# Altium PCB MB1367C-for mechanical-drawing.PcbDoc (part 4 of 5) (continued)
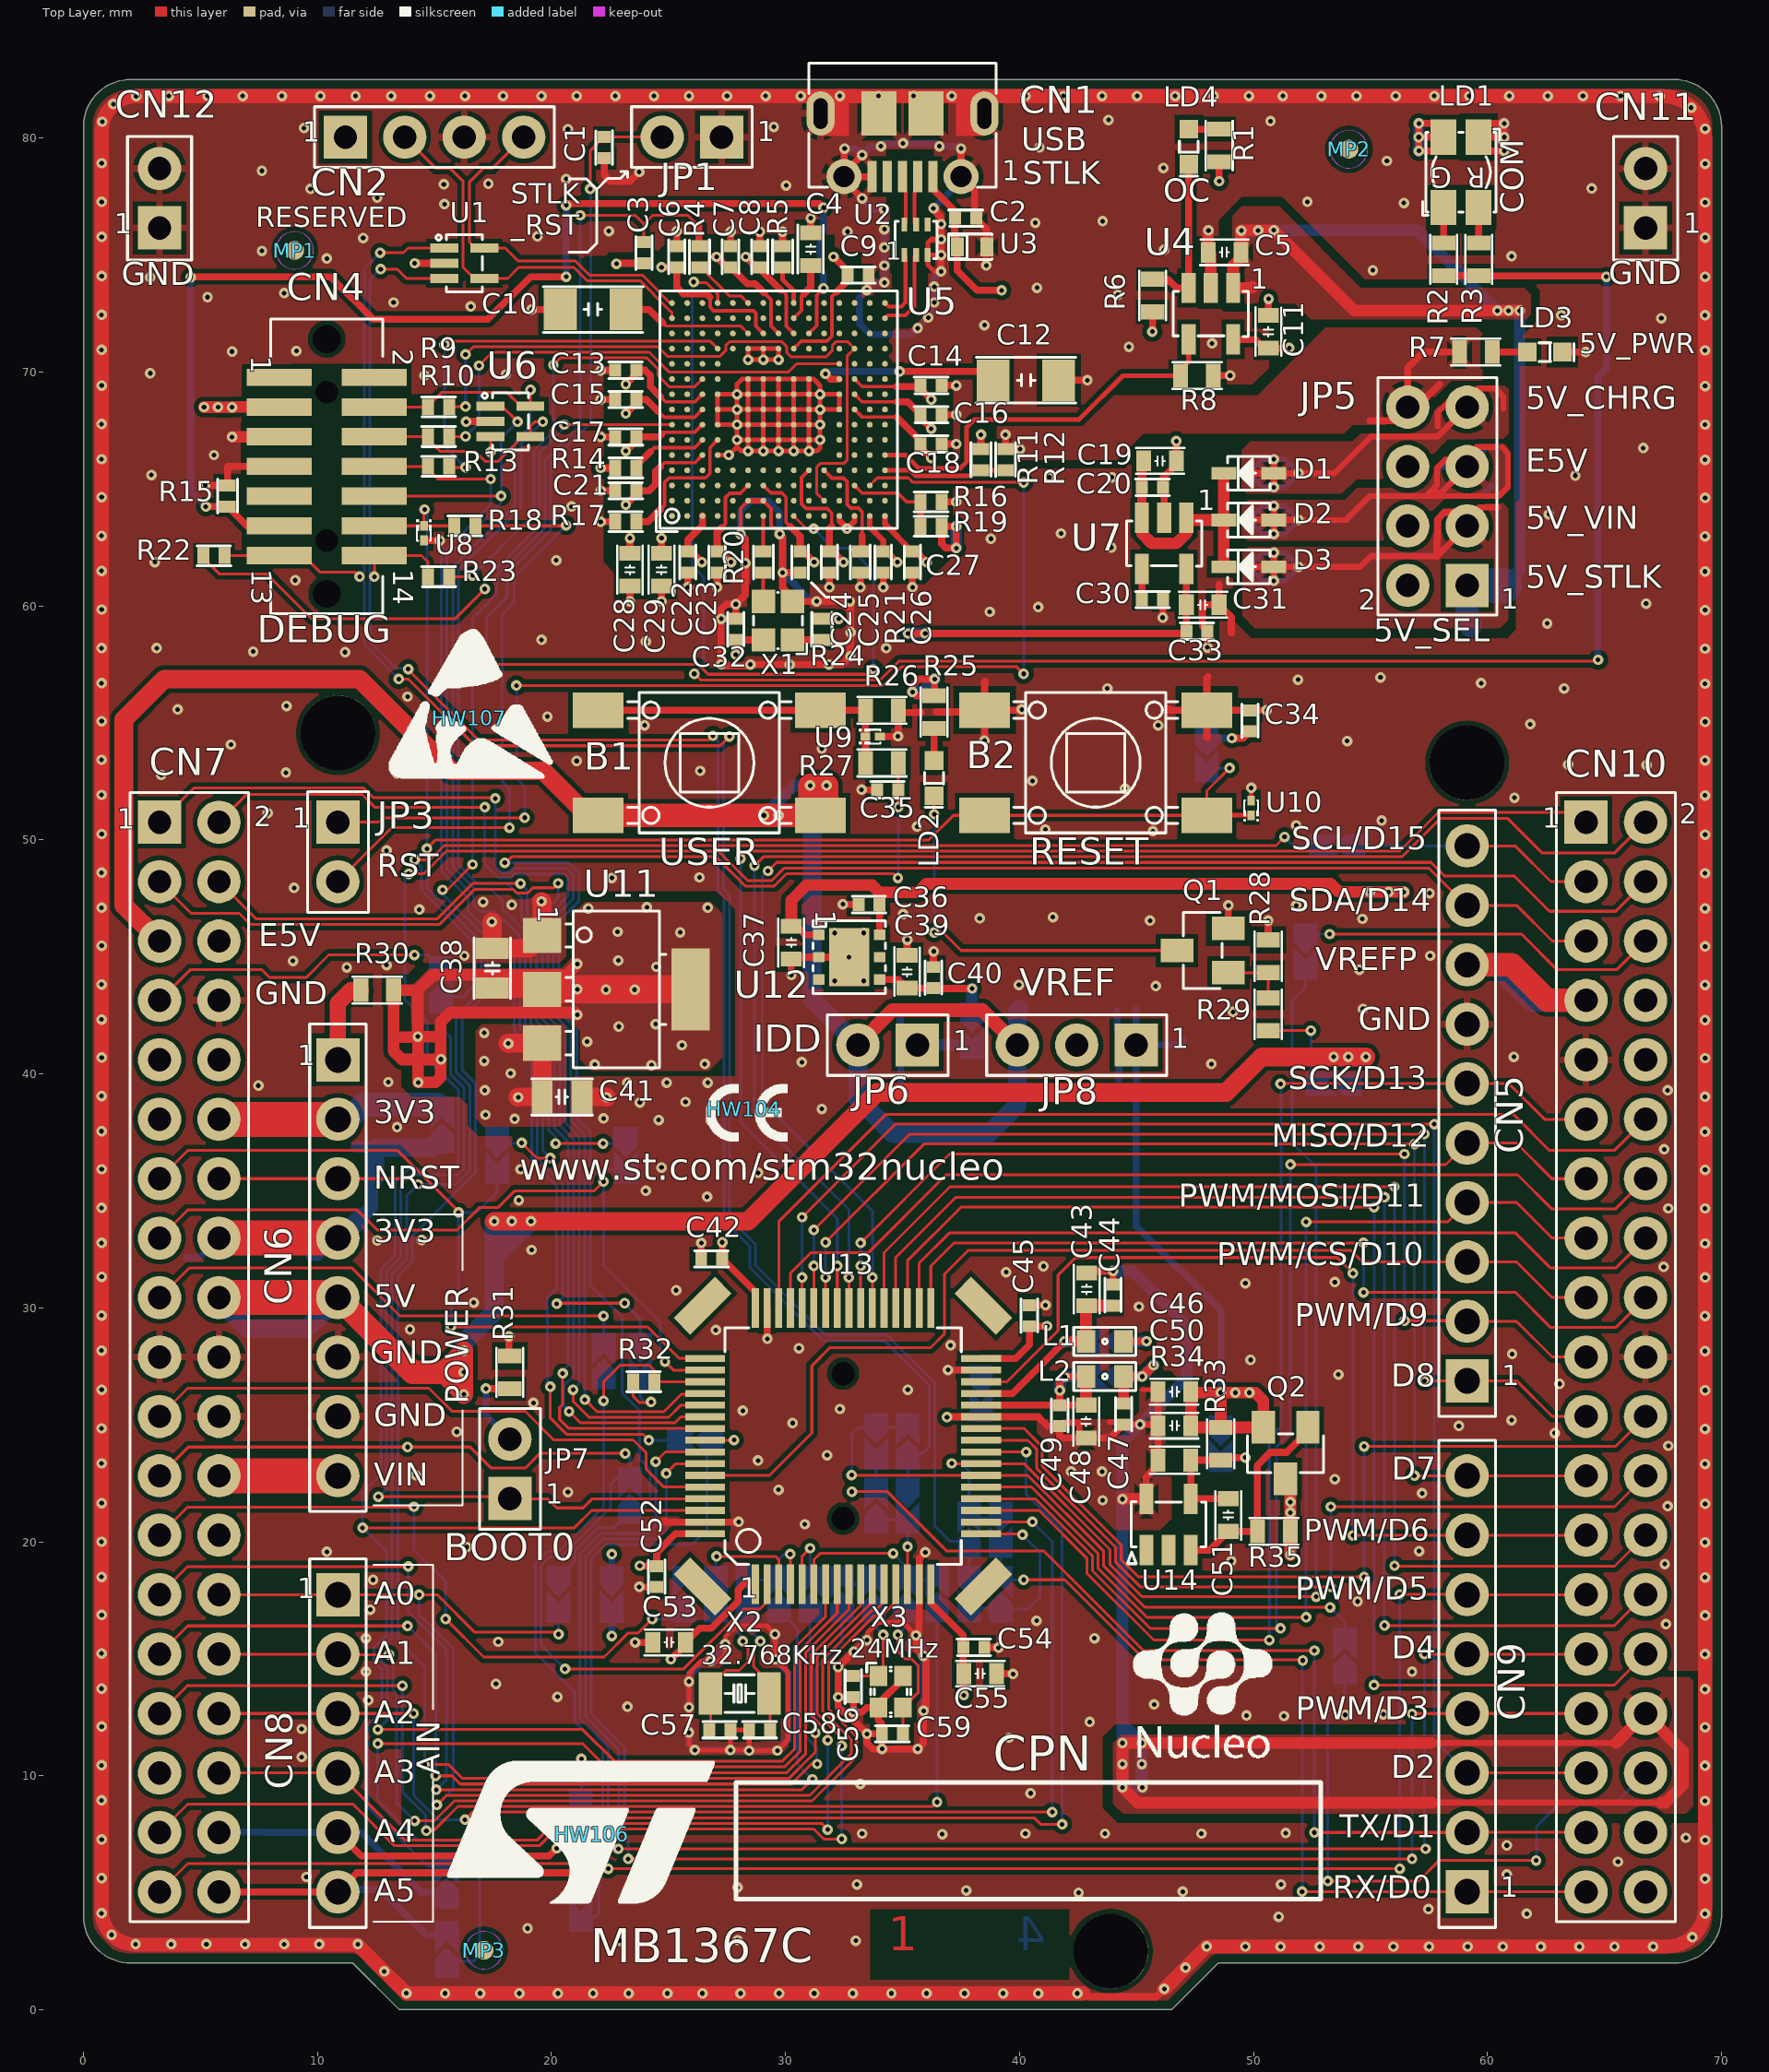
[diagram p0: Top Layer view]
## Nets (pads, with @x,y where several pads share a name; then routed paths per layer and width w, separated by ;. In a path a pad name is that pad's centre, name@x,y a point inside that pad or via, vN(x,y) a via of type N, cw(c..) or ccw(c..) an arc to the next point about the centre after c; other vN are vias at no path point) (continued)
  Bottom Layer w0.3: SB38.1@22.575,18.25 v1(22.575,19.475) ; v1(37.62,13.445) v1@37.625,13.45 ; v1@45.415,28.565 v1(45.425,28.575)
  Bottom Layer w0.5: v1(29.075,51.05) v1@29.125,51.1 ; v1@29.1,51.1 v1@29.125,51.1 ; SB8.1@44.145,28.565 v1@45.415,28.565 ; v1@29.125,51.1 31.075,51.1 31.15,51.175 31.75,51.775 v1(31.75,52.325) v1(31.05,52.325) 30.35,52.325 v1@29.125,51.1
  Bottom Layer w0.8: v1(31.05,52.325) 31.15,52.225 31.15,51.175 31.15,43.18 JP6.2@33.095,41.235 33.095,38.93 34.575,37.45 38.7,37.45 39.905,38.655 JP8.3@39.905,41.235 39.905,42.69 40,42.785
VIN: C41.2 CN6.8 CN7.24 U11.3 | length 16.9
  Top Layer w0.8: v1(18.15,41.3) 18.135,41.315 U11.3@19.595,41.315 C41.2@19.595,39.015 18.56,39.015 v1(18.575,39)
  Top Layer w1.5: CN7.24@5.79,22.82 CN6.8@10.87,22.82
  Signal Layer 2 w0.3: 4.575,23.575 5.035,23.575 CN7.24@5.79,22.82 ; 16.88,34.248 17.15,34.518
  Signal Layer 2 w1.5: CN7.24@5.79,22.82 CN6.8@10.87,22.82
  other v1: 18.425,38.075 17.175,38.25 17.15,39.3 18.25,40.025 17.125,40.55 17.125,41.75
VREF: C46.2 C50.2 JP8.1 Q2.2 R33.2 SB14.1 | length 54.7
  Top Layer w0.5: R33.2@48.595,24.89 47.395,24.89 C50.2@47.32,24.965 C46.2@47.32,26.415 47.36,26.375 v1(48.6,26.375) ; R33.2@48.595,24.89 Q2.2@50.42,24.89 50.42,26.03 50.075,26.375 v1(49.825,26.375) v1(49.225,26.375) v1(48.6,26.375) ; R33.2@48.595,24.89 48.595,26.37 v1(48.6,26.375)
  Signal Layer 2 w0.3: JP8.1@44.985,41.235 48.6,37.62 v1(48.6,26.375) v1(49.225,26.375) v1(49.825,26.375)
  Bottom Layer w0.3: 44.175,42.675 44.175,41.875 44.815,41.235 JP8.1@44.985,41.235 ; 44.25,39.75 44.25,40.5 JP8.1@44.985,41.235 ; 44.975,42.785 44.985,42.775 JP8.1@44.985,41.235 ; 47.025,41.425 46.835,41.235 JP8.1@44.985,41.235 ; SB14.1@48.595,24.69 48.6,24.695 v1(48.6,26.375) ; v1(49.825,26.375) v1(49.225,26.375) v1(48.6,26.375) ; JP8.1@44.985,41.235 44.985,33.49 48.6,29.875 v1(48.6,26.375)
VREFP: C48.1 C49.1 CN5.8 CN10.7 L2.2 SB10.2 U13.28 | length 86.2
  Top Layer w0.3: U13.28@38.36,25.84 C49.1@41.72,25.84 ; C48.1@42.845,25.84 C49.1@41.72,25.84 ; L2.2@42.845,27.065 41.94,27.065 v1(41.925,27.05) 41.72,26.845 v1(41.72,26.475) C49.1@41.72,25.84
  Top Layer w0.5: C48.1@42.845,25.84 L2.2@42.845,27.065
  Top Layer w1: CN5.8@59.13,44.664 61.036,44.664 62.56,43.14 CN10.7@64.21,43.14
  Signal Layer 2 w0.25: 58.597,16.47 60.455,16.47 61.95,17.965 61.95,42.105 62.985,43.14
  Signal Layer 2 w0.3: v1(41.72,26.475) 42.495,25.7 45.65,25.7 46.7,24.65 46.7,16.275 48.9,14.075 54.075,14.075 56.47,16.47 58.597,16.47 ; CN10.7@64.21,43.14 64.55,42.8 64.55,41.9
  Signal Layer 2 w0.5: v1(41.72,26.475) 41.72,26.845 v1(41.925,27.05)
  Signal Layer 2 w1: CN5.8@59.13,44.664 61.461,44.664 62.985,43.14 CN10.7@64.21,43.14
  Bottom Layer w0.3: v1(41.925,27.05) v1@41.94,27.065
  Bottom Layer w0.5: v1(41.72,26.475) 41.72,26.845 v1(41.925,27.05) ; v1@41.94,27.065 42.845,27.065
  Bottom Layer w1: CN5.8@59.13,44.664 60.411,44.664 61.935,43.14 CN10.7@64.21,43.14
pads on no net: CN1.4 CN4.0 CN4.1 CN4.2 CN4.9 CN7.9 CN7.10 CN7.11 CN7.26 CN10.10 CN10.36 CN10.38 MP1.1 MP2.1 MP3.1 MP4.1 MP5.1 MP6.1 U2.4 U5.A1 U5.A2 U5.A3 U5.A4 U5.A5 U5.A6 U5.A8 U5.A9 U5.A10 U5.A11 U5.A12 U5.A13 U5.B1 U5.B2 U5.B3 U5.B4 U5.B5 U5.B6 U5.B7 U5.B8 U5.B9 U5.B10 U5.B11 U5.B12 U5.B13 U5.B14 U5.B15 U5.C2 U5.C3 U5.C4 U5.C11 U5.C12 U5.C13 U5.C14 U5.C15 U5.D1 U5.D2 U5.D3 U5.D4 U5.D10 U5.D11 U5.D13 U5.D14 U5.E1 U5.E2 U5.E3 U5.E4 U5.E12 U5.E13 U5.E14 U5.E15 U5.F1 U5.F4 U5.F14 U5.G4 U5.G14 U5.G15 U5.H1 U5.H2 U5.H3 U5.H4 U5.H14 U5.H15 U5.J2 U5.J3 U5.J4 U5.K1 U5.K2 U5.K3 U5.K12 U5.K14 U5.K15 U5.L1 U5.L3 U5.L12 U5.L13 U5.L14 U5.L15 U5.M2 U5.M3 U5.M4 U5.M5 U5.M6 U5.M7 U5.M12 U5.M13 U5.M14 U5.M15 U5.N2 U5.N4 U5.N5 U5.N6 U5.N7 U5.N11 U5.N13 U5.N14 U5.N15 U5.P2 U5.P4 U5.P5 U5.P6 U5.P7 U5.P8 U5.P9 U5.P10 U5.P11 U5.P12 U5.P13 U5.P14 U5.P15 U5.R2 U5.R3 U5.R6 U5.R7 U5.R8 U5.R9 U5.R10 U5.R11 U5.R12 U5.R13 U12.3 U12.5 U13.0 U14.1 U14.2

## Polygon pours and split planes (outlines as drawn)
GND on Top Layer "GND_L01_P086" (solid, remove dead copper, pour order 86): 39.725,82.2 39.725,73.05 38.95,72.275 37.1,72.275 37.1,69.35 38.174,68.276 42.476,68.276 43.675,69.475 49.95,69.475 50.65,70.175 50.65,71.925 50,72.575 48.725,72.575 48.5,72.8 48.5,76.5 49.5,77.5 49.9,77.5 49.9,82.2
GND on Top Layer "GND_L01_P084" (solid, remove dead copper, pour order 84): 13.3,39.675 13.35,39.675 14.025,39 16.075,39 16.4,38.675 16.4,37.8 16.875,37.325 20.625,37.325 20.825,37.525 20.824,37.526 20.824,38.001 24.976,38.001 26.875,39.9 28.4,39.9 28.4,28.825 29.425,27.8 39.5,27.8 39.5,23.525 44.175,18.85 49.625,18.85 49.625,13.625 48.2,12.2 44.1,12.2 43.55,11.65 43.55,8.625 44.2,7.975 69.65,7.975 69.7,7.925 69.7,3.4 68.525,2.225 48.3,2.225 46.275,0.2 13.675,0.2 9.95,3.925 9.95,39.65
GND on Top Layer "GND_L01_P082" (solid, remove dead copper, pour order 82): 33.425,75.125 22.475,75.125 21.875,74.525 21.875,71.775 23,70.65 23,61.95 23.2,61.75 36,61.75 36.375,62.125 36.375,71.9 36.675,72.2 37.85,72.2 38.7,71.35 38.7,66.525 39.35,65.875 44.5,65.875 45.475,66.85 48.725,66.85 49.125,66.45 49.125,59.4 49.9,58.625 60.85,58.625 61.225,59 61.225,64.425 61.375,64.575 61.375,71.425 62.25,72.3 62.25,73.5 61.775,73.975 54.75,73.975 51.225,77.5 49.775,77.5 49.775,82.3 49.75,82.325 49.825,82.4 68.625,82.4 69.85,81.175 69.85,14.5 63.8,14.5 61.5,12.2 48.2,12.2 47,13.4 47,26.775 46.45,27.325 29.075,27.325 27.85,28.55 27.85,47.025 27.05,47.825 19.125,47.825 16.15,44.85 16.15,44.75 14.35,44.75 13.575,43.975 13.575,2.375 13.55,2.35 1.5,2.35 0.2,3.65 0.2,81.1 1.3,82.2 32.325,82.2 33.4,81.125
AGND on Top Layer "AGND_L01_P064" (solid, remove dead copper, pour order 64): 44.35,11.75 44,11.4 44,8.8 44.425,8.375 68.475,8.375 68.925,8.825 68.925,13.925 68.625,14.225 65.65,14.225 63.175,11.75
5V on Top Layer "5V_L01_P028" (solid, remove dead copper, pour order 28): 59.775,69.638 58.463,69.638 56.575,67.75 54.25,67.75 53.875,67.375 45.3,67.375 44.175,66.25 39.175,66.25 39.025,66.4 39.025,67.625 39.175,67.775 42.8,67.775 44.025,69 50.175,69 53.075,71.9 59.525,71.9 59.775,71.65
GND on Top Layer "GND_L01_P006" (solid, remove dead copper, pour order 6): 20.625,45.025 20.35,44.75 16.15,44.75 15.875,45.025 15.875,48.2 16.275,48.6 20.275,48.6 20.625,48.25
5V_VIN on Top Layer "5V_VIN_L01_P004" (solid, remove dead copper, pour order 4): 15.775,42.375 15.525,42.125 14.075,42.125 14,42.2 14,43.735 14.765,44.5 16.3,44.5 20.4,44.5 21,45.1 21,46.925 21.425,47.35 26.8,47.35 27.3,46.85 27.3,40.7 26.725,40.125 21.7,40.125 21.225,40.6 21.225,41.825 20.675,42.375
VIN on Top Layer "VIN_L01_P008" (solid, remove dead copper, pour order 8): 20.5,42.125 20.625,42 20.625,38.025 20.35,37.75 17.1,37.75 16.75,38.1 16.75,41.85 17.025,42.125
GND on Top Layer "GND_L01_P010" (solid, remove dead copper, pour order 10): 20.975,39.9 20.8,39.725 20.8,38.025 21.075,37.75 26.95,37.75 27.275,38.075 27.275,39.5 26.875,39.9
5V_USB_CHGR on Top Layer "5V_USB_CHGR_L01_P032" (solid, remove dead copper, pour order 32): 54.392,65.417 56.592,65.417 58.3,67.125 60.65,67.125 60.9,67.375 60.9,69.25 60.725,69.425 58.775,69.425 56.725,67.375 54.575,67.375 54.225,67.025 49.875,67.025 49.5,66.65 49.5,65 49.7,64.8 53.775,64.8
E5V on Top Layer "E5V_L01_P034" (solid, remove dead copper, pour order 34): 49.775,64.525 49.5,64.25 49.5,63.05 49.75,62.8 56.375,62.8 58.325,64.75 60.55,64.75 60.875,65.075 60.875,66.775 60.725,66.925 58.7,66.925 56.825,65.05 54.425,65.05 53.9,64.525
5V_VIN on Top Layer "5V_VIN_L01_P036" (solid, remove dead copper, pour order 36): 49.775,62.525 49.525,62.275 49.525,59.575 50.05,59.05 60.525,59.05 60.875,59.4 60.875,64.175 60.575,64.475 58.475,64.475 56.525,62.525
AGND on Top Layer "AGND_L01_P066" (solid, remove dead copper, pour order 66): 46.5,23.025 46.25,23.275 46.25,24.875 46.25,26.875 46.025,27.1 45.275,27.1 45.125,26.95 45.125,25.575 44.9,25.35 44.095,25.35 43.97,25.225 41.05,25.225 40.925,25.35 40.82,25.35 40.75,25.28 40.75,23.375 43.625,20.5 46,20.5 46.5,21
5V_USB_STLK on Top Layer "5V_USB_STLK_L01_P078" (solid, remove dead copper, pour order 78): 49.5,77.075 49.1,76.675 49.1,74.95 48.825,74.675 48.825,72.9 48.85,72.925 51.775,72.925 52.45,72.25 61.65,72.25 61.85,72.45 61.85,73.325 61.575,73.6 54.575,73.6 51.1,77.075
GND on Top Layer "GND_L01_P002" (solid, remove dead copper, pour order 2): 31.675,77.625 33.25,76.05 33.25,71.275 34.15,70.375 38.15,70.375 40,72.225 40,82.5 30.65,82.5 30.65,78.675 31.675,77.65
GND on Bottom Layer "GND_L04_P110" (solid, remove dead copper, pour order 110): 52.835,57.81 52.82,57.825 50.075,57.825 48.475,59.425 46.65,59.425 46.65,45.35 47.9,44.1 50.175,44.1 51.425,42.85 54.025,42.85 54.025,56.701 52.876,57.851
GND on Bottom Layer "GND_L04_P108" (solid, remove dead copper, pour order 108): 10.725,82.3 10.725,63.3 14.4,59.625 21.8,59.625 24.925,62.75 24.925,81.925 24.55,82.3
GND on Bottom Layer "GND_L04_P106" (solid, remove dead copper, pour order 106): 18.325,58.725 18.325,55.4 21.725,52 27.5,52 28.925,53.425 33.425,53.425 33.9,53.9 33.9,57.975 33.15,58.725
GND on Bottom Layer "GND_L04_P104" (solid, remove dead copper, pour order 104): 1.15,57.85 5.65,62.35 5.65,65.025 4.525,66.15 4.525,69.275 4.95,69.7 9.375,69.7 10.2,68.875 10.2,60.65 12.4,58.45 12.4,32.6 11.125,31.325 0.825,31.325 0.275,30.775 0.275,3.525 1.525,2.275 11.375,2.275 13.425,0.225 46.475,0.225 48.525,2.275 68.525,2.275 69.8,3.55 69.8,81.05 68.625,82.225 12.054,82.225 11.55,81.721 11.55,75.65 13.8,73.4 13.8,62.25 19.45,56.6 33.85,56.6 35.8,58.55 35.8,63.65 36.4,64.25 38.65,64.25 39.35,63.55 39.35,44.675 39.925,44.1 47.9,44.1 48.925,45.125 48.925,69.85 49.875,70.8 57.475,70.8 57.75,71.075 57.725,71.1 57.725,72.55 55.95,74.325 49.075,74.325 48.5,74.9 48.5,77.5 48.875,77.875 60.425,77.875 64.5,73.8 64.5,58.6 63.751,57.851 52.876,57.851 51.775,56.75 51.775,24.85 50.975,24.05 50.875,24.15 48.525,24.15 47.675,23.3 47.675,9.175 46.55,8.05 42.45,8.05 41.325,9.175 41.325,20.325 40.425,21.225 40.425,22.975 39.775,23.625 36.85,23.625 36.05,24.425 36.05,26.025 36.075,26.025 37,26.95 40.825,26.95 41.575,27.7 41.575,34.45 40.725,35.3 32.775,35.3 28.2,39.875 20.85,39.875 20.25,39.275 20.25,37.75 19.725,37.225 16.425,37.225 15.85,37.8 15.85,41.95 16.675,42.775 19.225,42.775 19.95,43.5 19.95,46.35 21.5,47.9 27.125,47.9 27.925,48.7 27.925,57.375 27.45,57.85 18.775,57.85 13.8,62.825 13.8,74.25 12.225,75.825 12.225,82.125 12,82.35 1.5,82.35 0.325,81.175 0.325,57.975 0.45,57.85
3V3 on Bottom Layer "3V3_L04_P050" (solid, remove dead copper, pour order 50): 11.3,32 11.3,32.025 11.875,32.6 11.875,58 9.675,60.2 9.675,68.65 9.025,69.3 5.275,69.3 4.875,68.9 4.875,66.2 6,65.075 6,62.25 1.225,57.475 1.225,32.625 1.85,32
5V_VIN on Bottom Layer "5V_VIN_L04_P038" (solid, remove dead copper, pour order 38): 57.675,59.175 57.725,59.175 58.175,59.625 58.175,61.75 58.325,61.9 60.5,61.9 60.875,62.275 60.875,64.175 60.575,64.475 58.475,64.475 56.525,62.525 49.775,62.525 49.525,62.275 49.525,59.75 50.1,59.175
5V_USB_CHGR on Bottom Layer "5V_USB_CHGR_L04_P040" (solid, remove dead copper, pour order 40): 54.392,65.417 56.592,65.417 58.3,67.125 60.65,67.125 60.9,67.375 60.9,69.9 60.475,70.325 50.35,70.325 49.5,69.475 49.5,65 49.7,64.8 53.775,64.8
E5V on Bottom Layer "E5V_L04_P042" (solid, remove dead copper, pour order 42): 49.775,64.525 49.5,64.25 49.5,63.05 49.75,62.8 56.375,62.8 58.325,64.75 60.55,64.75 60.875,65.075 60.875,66.775 60.725,66.925 58.7,66.925 56.825,65.05 54.425,65.05 53.9,64.525
3V3 on Bottom Layer "3V3_L04_P048" (solid, remove dead copper, pour order 48): 34.5,39.325 35.025,38.8 38.3,38.8 38.625,39.125 38.625,63.45 38.3,63.775 36.875,63.775 36.5,63.4 36.5,58.4 34.5,56.4
VDD on Bottom Layer "VDD_L04_P056" (solid, remove dead copper, pour order 56): 29.225,53 28.45,52.225 28.45,50.3 29.723,49.027 29.723,48.123 29.4,47.8 29.4,39.425 33.1,35.725 39.8,35.725 41.45,37.375 41.45,43 41,43.45 39.275,43.45 38.975,43.15 38.975,38.775 38.525,38.325 34.85,38.325 34.1,39.075 34.1,52.45 33.55,53
AGND on Bottom Layer "AGND_L04_P070" (solid, remove dead copper, pour order 70): 36.875,25.95 36.625,25.7 36.625,24.575 37,24.2 40.825,24.2 41.125,23.9 41.125,22.068 42.25,20.943 42.25,9.625 42.875,9 46.15,9 46.55,9.4 46.55,25.425 47.625,26.5 47.625,29.525 45.125,32.025 43.925,32.025 43.7,31.8 43.7,30.9 44.225,30.375 45.05,30.375 46.3,29.125 46.3,27.35 44.9,25.95
VREF on Bottom Layer "VREF_L04_P074" (solid, remove dead copper, pour order 74): 44.375,43.45 44,43.075 44,33.5 47.875,29.625 47.875,25.21 48.21,24.875 50.2,24.875 50.75,25.425 50.75,42.5 49.8,43.45
5V_USB_STLK on Bottom Layer "5V_USB_STLK_L04_P080" (solid, remove dead copper, pour order 80): 58.5,61.4 58.5,59.025 59,58.525 63.225,58.525 63.95,59.25 63.95,73.65 60.2,77.4 49.35,77.4 48.9,76.95 48.9,75.35 49.3,74.95 56.6,74.95 61.125,70.425 61.125,62.05 60.475,61.4
5V_VIN on Bottom Layer "5V_VIN_L04_P014" (solid, remove dead copper, pour order 14): 21.5,47.5 20.375,46.375 20.375,40.47 20.72,40.125 26.575,40.125 26.92,40.47 26.92,47.23 26.65,47.5
VIN on Bottom Layer "VIN_L04_P012" (solid, remove dead copper, pour order 12): 16.975,42.25 16.625,41.9 16.625,37.875 16.875,37.625 19.5,37.625 19.875,38 19.875,41.925 19.55,42.25
GND on Signal Layer 2 "GND_L03_P102" (solid, remove dead copper, pour order 102): 12.15,2.55 12.15,1.7 13.6,0.25 46.5,0.25 48.425,2.175 68.525,2.175 69.825,3.475 69.825,40.95 69.6,41.175 68.375,41.175 68.025,40.825 68.025,13.65 66.975,12.6 47.05,12.6 46.4,11.95 46.4,9.375 45.3,8.275 42.725,8.275 41.35,9.65 41.35,23.775 41,24.125 39.05,24.125 38.675,23.75 38.675,11.375 33.675,6.375 22.25,6.375 18.425,2.55
VREFP on Signal Layer 2 "VREFP_L03_P076" (solid, remove dead copper, pour order 76): 41.225,27.475 40.95,27.2 40.95,25.8 41.25,25.5 45.52,25.5 46,25.02 46,14.425 47.25,13.175 65.925,13.175 66.9,14.15 66.9,39.725 64.21,42.415 64.21,43.965 60.971,47.204 57.704,47.204 57.375,46.875 57.375,36.1 54.125,32.85 54.125,18.7 53.5,18.075 50.45,18.075 50.05,18.475 50.05,23.575 46.875,26.75 44.825,26.75 44.1,27.475
GND on Signal Layer 2 "GND_L03_P094" (solid, remove dead copper, pour order 94): 63.125,66.725 64.075,65.775 64.075,49 62.9,47.825 58.55,47.825 57.85,48.525 57.85,54.1 59.075,55.325 59.075,66.125 59.675,66.725
GND on Signal Layer 2 "GND_L03_P090" (solid, remove dead copper, pour order 90): 37.025,64.45 37.325,64.15 38.525,64.15 39.05,63.625 39.05,58.825 39.425,58.45 39.45,58.475 40.475,58.475 46.95,64.95 46.95,67.175 43.025,71.1 38.6,71.1 37.025,69.525
5V on Signal Layer 2 "5V_L03_P030" (solid, remove dead copper, pour order 30): 58.15,55.775 58.15,68.025 57.62,68.575 57.625,69.25 57.625,69.95 57.325,70.25 53.1,70.25 52.9,70.05 52.925,70.025 52.925,38.125 50.5,35.7 50.5,18.5 53.275,18.5 53.725,18.95 53.725,33.375 56.975,36.625 56.975,54.6
5V_USB_CHGR on Signal Layer 2 "5V_USB_CHGR_L03_P024" (solid, remove dead copper, pour order 24): 43.4,78.525 38.75,73.875 38.75,71.675 39.05,71.375 43.025,71.375 49.6,64.8 51.575,64.8 52.375,65.6 52.375,70.275 52.75,70.65 57.575,70.65 58,70.225 58,67.65 58.275,67.375 63.525,67.375 64.675,66.225 64.675,42.7 65.825,41.55 68.275,41.55 68.875,42.15 68.875,71.45 61.8,78.525
GND on Signal Layer 2 "GND_L03_P096" (solid, remove dead copper, pour order 96): 0.8,24.35 0.7,24.45 0.75,24.5 0.75,41.75 1.125,42.125 13.075,42.125 13.7,41.5 13.7,39.4 14.15,38.95 15.5,38.95 15.775,38.675 15.775,30.25 14.8,29.275 14.8,27.975 11.175,24.35
VIN on Signal Layer 2 "VIN_L03_P018" (solid, remove dead copper, pour order 18): 16.1,29.875 15.25,29.025 15.25,27.55 11.45,23.75 2.625,23.75 2.225,23.35 2.225,18.275 2.625,17.875 18.65,17.875 21.15,20.375 21.15,30.275 21.875,31 21.875,38.375 18.125,42.125 16.385,42.125 16.1,41.84
VBAT on Signal Layer 2 "VBAT_L03_P112" (solid, remove dead copper, pour order 112): 19.725,18.1 18.975,17.35 1.05,17.35 0.9,17.2 0.9,3.6 1.625,2.875 11.75,2.875 12.05,3.175 17.925,3.175 21.625,6.875 25.775,6.875 26.275,7.375 26.275,16.275 25.4,17.15 21.675,17.15 20.725,18.1
E5V on Signal Layer 2 "E5V_L03_P062" (solid, remove dead copper, pour order 62): 4.625,46.65 4.625,44 6.225,42.4 13.025,42.4 15.925,45.3 18.375,45.3 20.925,47.85 36.925,47.85 48.775,59.7 48.775,62.3 49.225,62.75 52.1,62.75 52.25,62.9 52.25,64.375 52.026,64.599 49.599,64.599 49.598,64.6 47.475,64.6 33.125,50.25 8.225,50.25
VDD on Signal Layer 2 "VDD_L03_P058" (solid, remove dead copper, pour order 58): 31.9,50.575 32.475,51.15 32.475,53.95 32.05,54.375 23.3,54.375 17.95,59.725 1.625,59.725 1.225,59.325 1.225,44.025 3.925,44.025 4.25,44.35 4.25,46.775 8.05,50.575
GND on Signal Layer 2 "GND_L03_P088" (solid, remove dead copper, pour order 88): 9.525,82.225 8.075,80.775 8.075,74.55 10.395,72.23 10.395,70.845 9.95,70.4 5.15,70.4 4.125,69.375 4.125,66.375 4.975,65.525 11.825,65.525 14.775,62.575 14.775,60.55 14.45,60.225 0.325,60.225 0.275,60.275 0.275,81.2 1.3,82.225
GND on Signal Layer 2 "GND_L03_P026" (solid, remove dead copper, pour order 26): 56.825,82.35 58.15,81.025 58.15,79.375 58.6,78.925 62,78.925 69.425,71.5 69.9,71.5 69.9,81.45 69,82.35
5V_VIN on Signal Layer 2 "5V_VIN_L03_P016" (solid, remove dead copper, pour order 16): 29.275,40.125 33.425,44.275 47.225,44.275 52.35,49.4 52.35,62.35 52.15,62.55 49.55,62.55 49.375,62.375 49.375,59.525 37.225,47.375 21.4,47.375 18.65,44.625 16.125,44.625 13.975,42.475 13.975,39.45 14.175,39.25 15.475,39.25 15.775,39.55 15.775,41.85 16.3,42.375 18.325,42.375 20.575,40.125
E5V on Signal Layer 2 "E5V_L03_P044" (solid, remove dead copper, pour order 44): 49.6,64.6 49.375,64.375 49.375,62.875 49.5,62.75 52.1,62.75 52.25,62.9 52.25,64.375 52.025,64.6
AGND on Signal Layer 2 "AGND_L03_P068" (solid, remove dead copper, pour order 68): 44,25.25 41.825,23.075 41.825,10.025 43.1,8.75 44.975,8.75 45.775,9.55 45.775,24.75 45.275,25.25
GND on Signal Layer 2 "GND_L03_P092" (solid, remove dead copper, pour order 92): 33.175,54.675 32.825,54.325 32.85,54.3 32.85,51.525 33,51.375 33.725,51.375 35.875,53.525 35.875,54.475 35.675,54.675
3V3 on Signal Layer 2 "3V3_L03_P052" (solid, remove dead copper, pour order 52): 5.325,69.8 4.625,69.1 4.625,66.65 5.2,66.075 12.475,66.075 23.6,54.95 37.125,54.95 38.625,56.45 38.625,63.5 38.3,63.825 36.925,63.825 36.575,63.475 36.575,58.2 35.375,57 26.2,57 13.4,69.8
VREF on Signal Layer 2 "VREF_L03_P072" (solid, remove dead copper, pour order 72): 43.475,43.375 42.975,42.875 42.975,38.425 46.15,35.25 46.15,28 48.075,26.075 49.95,26.075 50.125,26.25 50.125,42.575 49.325,43.375
GND on Signal Layer 2 "GND_L03_P100" (solid, remove dead copper, pour order 100): 52.5,48.65 52.175,48.65 49.725,46.2 49.725,43.675 50.55,42.85 50.55,38.077 50.802,37.825 52.025,37.825 52.65,38.45 52.65,48.5
GND on Signal Layer 2 "GND_L03_P098" (solid, remove dead copper, pour order 98): 22.825,39.85 22.075,39.1 22.075,32.075 22.325,31.825 23.5,31.825 30.45,38.775 30.45,39.5 30.1,39.85
VDD on Signal Layer 2 "VDD_L03_P060" (solid, remove dead copper, pour order 60): 21.173,19.298 21.175,18.4 22,17.575 25.77,17.575 26.775,16.57 26.775,8 28,6.775 28.725,6.775 33.35,6.775 38.15,11.575 38.15,24.865 41.285,28 45.225,28 45.7,28.475 45.7,34.95 42.375,38.275 42.375,42.925 41.9,43.425 33.675,43.425 31.35,41.1 31.35,39.25 22.025,29.925 22.025,20.15
3V3_STLK on Signal Layer 2 "3V3_STLK_L03_P020" (solid, remove dead copper, pour order 20): 10.4,81.4 9.725,81.4 8.625,80.3 8.625,75.15 26.35,57.425 35.375,57.425 36.35,58.4 36.35,65.925 36.65,66.225 36.65,69.475 38.4,71.225 38.4,73.925 43.45,78.975 57.35,78.975 57.7,79.325 57.7,80.75 57.2,81.25 39.95,81.25 37.125,78.425 37.125,72.65 36.025,71.55 35.2,71.55 34.025,72.725 33.425,72.725 33.025,73.125 33.025,74.925 30.675,77.275 30.675,80.75 30.05,81.375
GND on Signal Layer 2 "GND_L03_P022" (solid, remove dead copper, pour order 22): 30.925,82.475 30.925,77.425 33.25,75.1 33.25,73.35 33.6,73 34.1,73 35.475,71.625 35.725,71.625 36.9,72.8 36.9,77.425 37.801,78.326 37.801,82.474 37.8,82.475
GND on Signal Layer 1 "GND_L02_P000" (solid, remove dead copper, pour order 0): 0.325,82.5 0,82.175 0,2.4 0.4,2 11.5,2 13.5,0 46.5,0 48.5,2 69.875,2 70,2.125 70,81.975 69.475,82.5

## Other copper
Top Layer:
  pour cut-out: 8.8,70.275 8.875,70.35 11.85,70.35 12.55,69.65 13.913,69.65 14.022,69.541 14.022,69.065 14.265,69.065 14.275,69.075 16.5,69.075 17.85,67.725 17.85,64.7 17.784,64.7 17.518,64.434 17.502,64.45 14.5,64.45 14.126,64.076 14.126,62.336 13.465,61.675 6.975,61.675 6.75,61.9 6.75,70.05 7,70.3
  pour cut-out: 22.216,70.344 22.216,61.884 23.184,60.916 27.609,60.916 27.65,60.957 27.65,62.45 24.5,62.45 23.525,63.425 23.55,63.45 23.55,73.5 24.75,74.7 31.825,74.7 32.116,74.991 32.116,75.884 30.376,75.884 30.36,75.9 25.275,75.9 24.35,74.975 21.446,74.975 20.725,74.254 20.725,71.25 21.625,70.35 21.725,70.35
  pour cut-out: 31.054,60.916 35.959,60.916 37.184,62.141 37.184,69.674 37.108,69.75 35.95,69.75 35.95,63.025 35.05,62.125 31.025,62.125
  text "1" at 34.37,2.04 h2.5
Signal Layer 1:
  text "2" at 36.12,2.04 h2.5
Signal Layer 2:
  text "3" at 39.12,2.04 h2.5
Bottom Layer:
  pour cut-out: 25.069,19.031 25.069,16.519 25.05,16.5 25.052,16.498 39.795,16.498 39.695,16.598 39.695,18.965
  pour cut-out: 33.37,20.34 36.341,20.34 36.3,20.381 36.3,24.91 35.72,25.49 33.37,25.49
  text "4" at 41.12,2.04 h2.5
Multi-Layer:
  pour cut-out: 33.62,4.29 33.62,1.29 42.12,1.29 42.12,4.29

## Silkscreen, mask and mechanical layers (free items; w line width, h text height)
Top Overlay:
  drawing of 813 lines, arcs and shapes, not listed
  text "USB" at 40.075,79.125 h1.7
  text "STLK" at 40.125,77.7 h1.7
  text "OC" at 46.15,76.95 h1.7
  text "STLK" at 18.25,76.9 h1.5
  text "COM" at 61.875,76.775 h1.7 r90
  text "RESERVED" at 7.35,75.9 h1.5
  text "_RST" at 18.25,75.575 h1.5
  text "GND" at 65.175,73.425 h1.7
  text "GND" at 1.625,73.375 h1.7
  text "5V_PWR" at 63.925,70.5 h1.5
  text "5V_CHRG" at 61.625,68.075 h1.7
  text "E5V" at 61.625,65.4 h1.7
  text "5V_VIN" at 61.625,62.95 h1.7
  text "5V_STLK" at 61.625,60.425 h1.7
  text "5V_SEL" at 55.125,58.15 h1.7
  text "DEBUG" at 7.425,58.05 h2
  text "SCL/D15" at 51.625,49.25 h1.7
  text "RESET" at 40.425,48.55 h2
  text "USER" at 24.575,48.525 h2
  text "RST" at 12.55,48.1 h1.7
  text "SDA/D14" at 51.525,46.625 h1.7
  text "E5V" at 7.47,45.115 h1.7
  text "VREFP" at 52.65,44.1 h1.7
  text "VREF" at 40,42.95 h2
  text "GND" at 7.314,42.632 h1.7
  text "GND" at 54.475,41.525 h1.7
  text "IDD" at 28.625,40.55 h2
  text "SCK/D13" at 51.475,39 h1.7
  text "3V3" at 12.394,37.552 h1.7
  text "MISO/D12" at 50.775,36.55 h1.7
  text "www.st.com/stm32nucleo" at 18.625,35.075 h2
  text "NRST" at 12.394,34.758 h1.7
  text "PWM/MOSI/D11" at 46.8,33.975 h1.7
  text "3V3" at 12.394,32.472 h1.7
  text "PWM/CS/D10" at 48.425,31.475 h1.7
  text "5V" at 12.394,29.678 h1.7
  text "PWM/D9" at 51.75,28.875 h1.7
  text "GND" at 12.25,27.275 h1.7
  text "D8" at 55.875,26.3 h1.7
  text "POWER" at 16.775,25.875 h1.7 r90
  text "GND" at 12.394,24.598 h1.7
  text "D7" at 55.9,22.325 h1.7
  text "VIN" at 12.394,22.058 h1.7
  text "PWM/D6" at 52.15,19.725 h1.6
  text "BOOT0" at 15.4,18.8 h2
  text "PWM/D5" at 51.775,17.2 h1.7
  text "A0" at 12.394,16.978 h1.7
  text "24MHz" at 32.775,15.05 h0.8
  text "32.768KHz" at 26.4,14.775 h0.8
  text "D4" at 55.9,14.675 h1.7
  text "A1" at 12.394,14.438 h1.7
  text "PWM/D3" at 51.8,12.075 h1.7
  text "A2" at 12.394,11.898 h1.7
  text "CPN" at 38.875,10.225 h1.5
  text "AIN" at 15.55,10.025 h1.7 r90
  text "D2" at 55.875,9.575 h1.7
  text "A3" at 12.394,9.358 h1.7
  text "TX/D1" at 53.675,7.025 h1.7
  text "A4" at 12.394,6.818 h1.7
  text "RX/D0" at 53.375,4.425 h1.7
  text "A5" at 12.394,4.278 h1.7
  text "MB1367C" at 21.675,1.525 h2.5
Bottom Overlay:
  drawing of 365 lines, arcs and shapes, not listed
  text "CN12" at 5.8,80.45 h2
  text "CN11" at 68.7,80.375 h2
  text "CN1" at 42.575,79.575 h2
  text "1" at 9.575,79.417 h2
  text "1" at 29.425,79.417 h2
  text "CN2" at 16.85,77.1 h2
  text "JP1" at 27.225,77.1 h2
  text "1" at 36.6,76.367 h2
  text "1" at 65.075,75.492 h2
  text "1" at 5.525,75.417 h2
  text "CN4" at 12.1,72.575 h2
  text "SN" at 34.75,72.5 h1.5
  text "JP5" at 59.35,70.125 h2
  text "2" at 14.25,69.192 h2
  text "1" at 7.425,69.125 h2
  text "RoHS" at 37.095,62.24 h1.6
  text "13" at 7.4,61.55 h2
  text "14" at 15.05,61.55 h2
  text "COMPLIANT" at 37.495,60.84 h0.8
  text "1" at 61.25,60.267 h2
  text "2002/95/EC" at 37.995,59.54 h0.8
  text "CN7" at 6.25,52.375 h2
  text "CN10" at 67.675,52.3 h2
  text "1" at 1.98,50.252 h2
  text "2" at 68.93,50.127 h2
  text "1" at 9.35,50.092 h2
  text "10" at 62.201,49.059 h2
  text "3" at 1.98,47.712 h2
  text "4" at 68.93,47.587 h2
  text "9" at 61.312,46.519 h2
  text "JP3" at 12.5,45.275 h2
  text "5" at 1.98,45.172 h2
  text "6" at 68.93,45.047 h2
  text "8" at 61.312,43.979 h2
  text "JP8" at 43.85,42.9 h2
  text "JP6" at 35.775,42.85 h2
  text "7" at 1.98,42.632 h2
  text "8" at 68.93,42.507 h2
  text "CN6" at 12.675,42.35 h2
  text "7" at 61.312,41.439 h2
  text "1" at 47.175,40.542 h2
  text "9" at 1.98,40.092 h2
  text "1" at 9.6,40.092 h2
  text "10" at 69.692,39.967 h2
  text "1" at 35.042,39.075 h2 r270
  text "6" at 61.312,38.899 h2
  text "11" at 1.98,37.552 h2
  text "2" at 9.6,37.552 h2
  text "12" at 69.692,37.427 h2
  text "5" at 61.312,36.359 h2
  text "13" at 1.98,35.012 h2
  text "3" at 9.6,35.012 h2
  text "14" at 69.692,34.887 h2
  text "CN5" at 56.4,34.15 h2 r270
  text "4" at 61.312,33.819 h2
  text "15" at 1.98,32.472 h2
  text "4" at 9.6,32.472 h2
  text "16" at 69.692,32.347 h2
  text "3" at 61.312,31.279 h2
  text "17" at 1.98,29.932 h2
  text "5" at 9.6,29.932 h2
  text "18" at 69.692,29.807 h2
  text "2" at 61.312,28.739 h2
  text "19" at 1.98,27.392 h2
  text "6" at 9.6,27.392 h2
  text "20" at 69.819,27.267 h2
  text "1" at 60.931,26.199 h2
  text "JP7" at 19.75,26.025 h2
  text "21" at 1.98,24.852 h2
  text "7" at 9.6,24.852 h2
  text "22" at 69.819,24.727 h2
  text "23" at 1.98,22.312 h2
  text "8" at 9.6,22.312 h2
  text "24" at 69.819,22.187 h2
  text "8" at 61.312,22.135 h2
  text "1" at 20.425,21.142 h2
  text "25" at 1.98,19.772 h2
  text "26" at 69.819,19.647 h2
  text "7" at 61.312,19.595 h2
  text "CN8" at 12.525,19.525 h2
  text "27" at 1.98,17.232 h2
  text "1" at 9.6,17.232 h2
  text "28" at 69.819,17.107 h2
  text "6" at 61.312,17.055 h2
  text "29" at 1.98,14.692 h2
  text "2" at 9.6,14.692 h2
  text "30" at 69.819,14.567 h2
  text "5" at 61.312,14.515 h2
  text "31" at 1.98,12.152 h2
  text "3" at 9.6,12.152 h2
  text "32" at 69.819,12.027 h2
  text "4" at 61.312,11.975 h2
  text "CN9" at 56.25,11.675 h2 r270
  text "33" at 1.98,9.612 h2
  text "4" at 9.6,9.612 h2
  text "34" at 69.819,9.487 h2
  text "3" at 61.312,9.435 h2
  text "35" at 1.98,7.072 h2
  text "5" at 9.6,7.072 h2
  text "36" at 69.819,6.947 h2
  text "2" at 61.312,6.895 h2
  text "37" at 1.98,4.532 h2
  text "6" at 9.6,4.532 h2
  text "38" at 69.819,4.407 h2
  text "1" at 60.931,4.355 h2
Top Solder:
  rectangle: 33.87,1.54 41.87,4.04
Bottom Solder:
  rectangle: 33.87,1.54 41.87,4.04
M1-Board Shape:
  lines w0.1: 48.5,2 68,2 ccw(c68,4) 70,4 70,58 70,80.5 ; 48.5,2 48.5,2 ; 48.5,2 46.5,0 13.5,0 11.5,2 2,2 cw(c2,4) 0,4 0,58 0,80.5 cw(c2,80.5) 2,82.5 68,82.5 cw(c68,80.5) 70,80.5 ; 70,80.5 70,80.5